# Altium PCB Dashcam_V2.0B.PcbDoc (part 3 of 8) (continued)
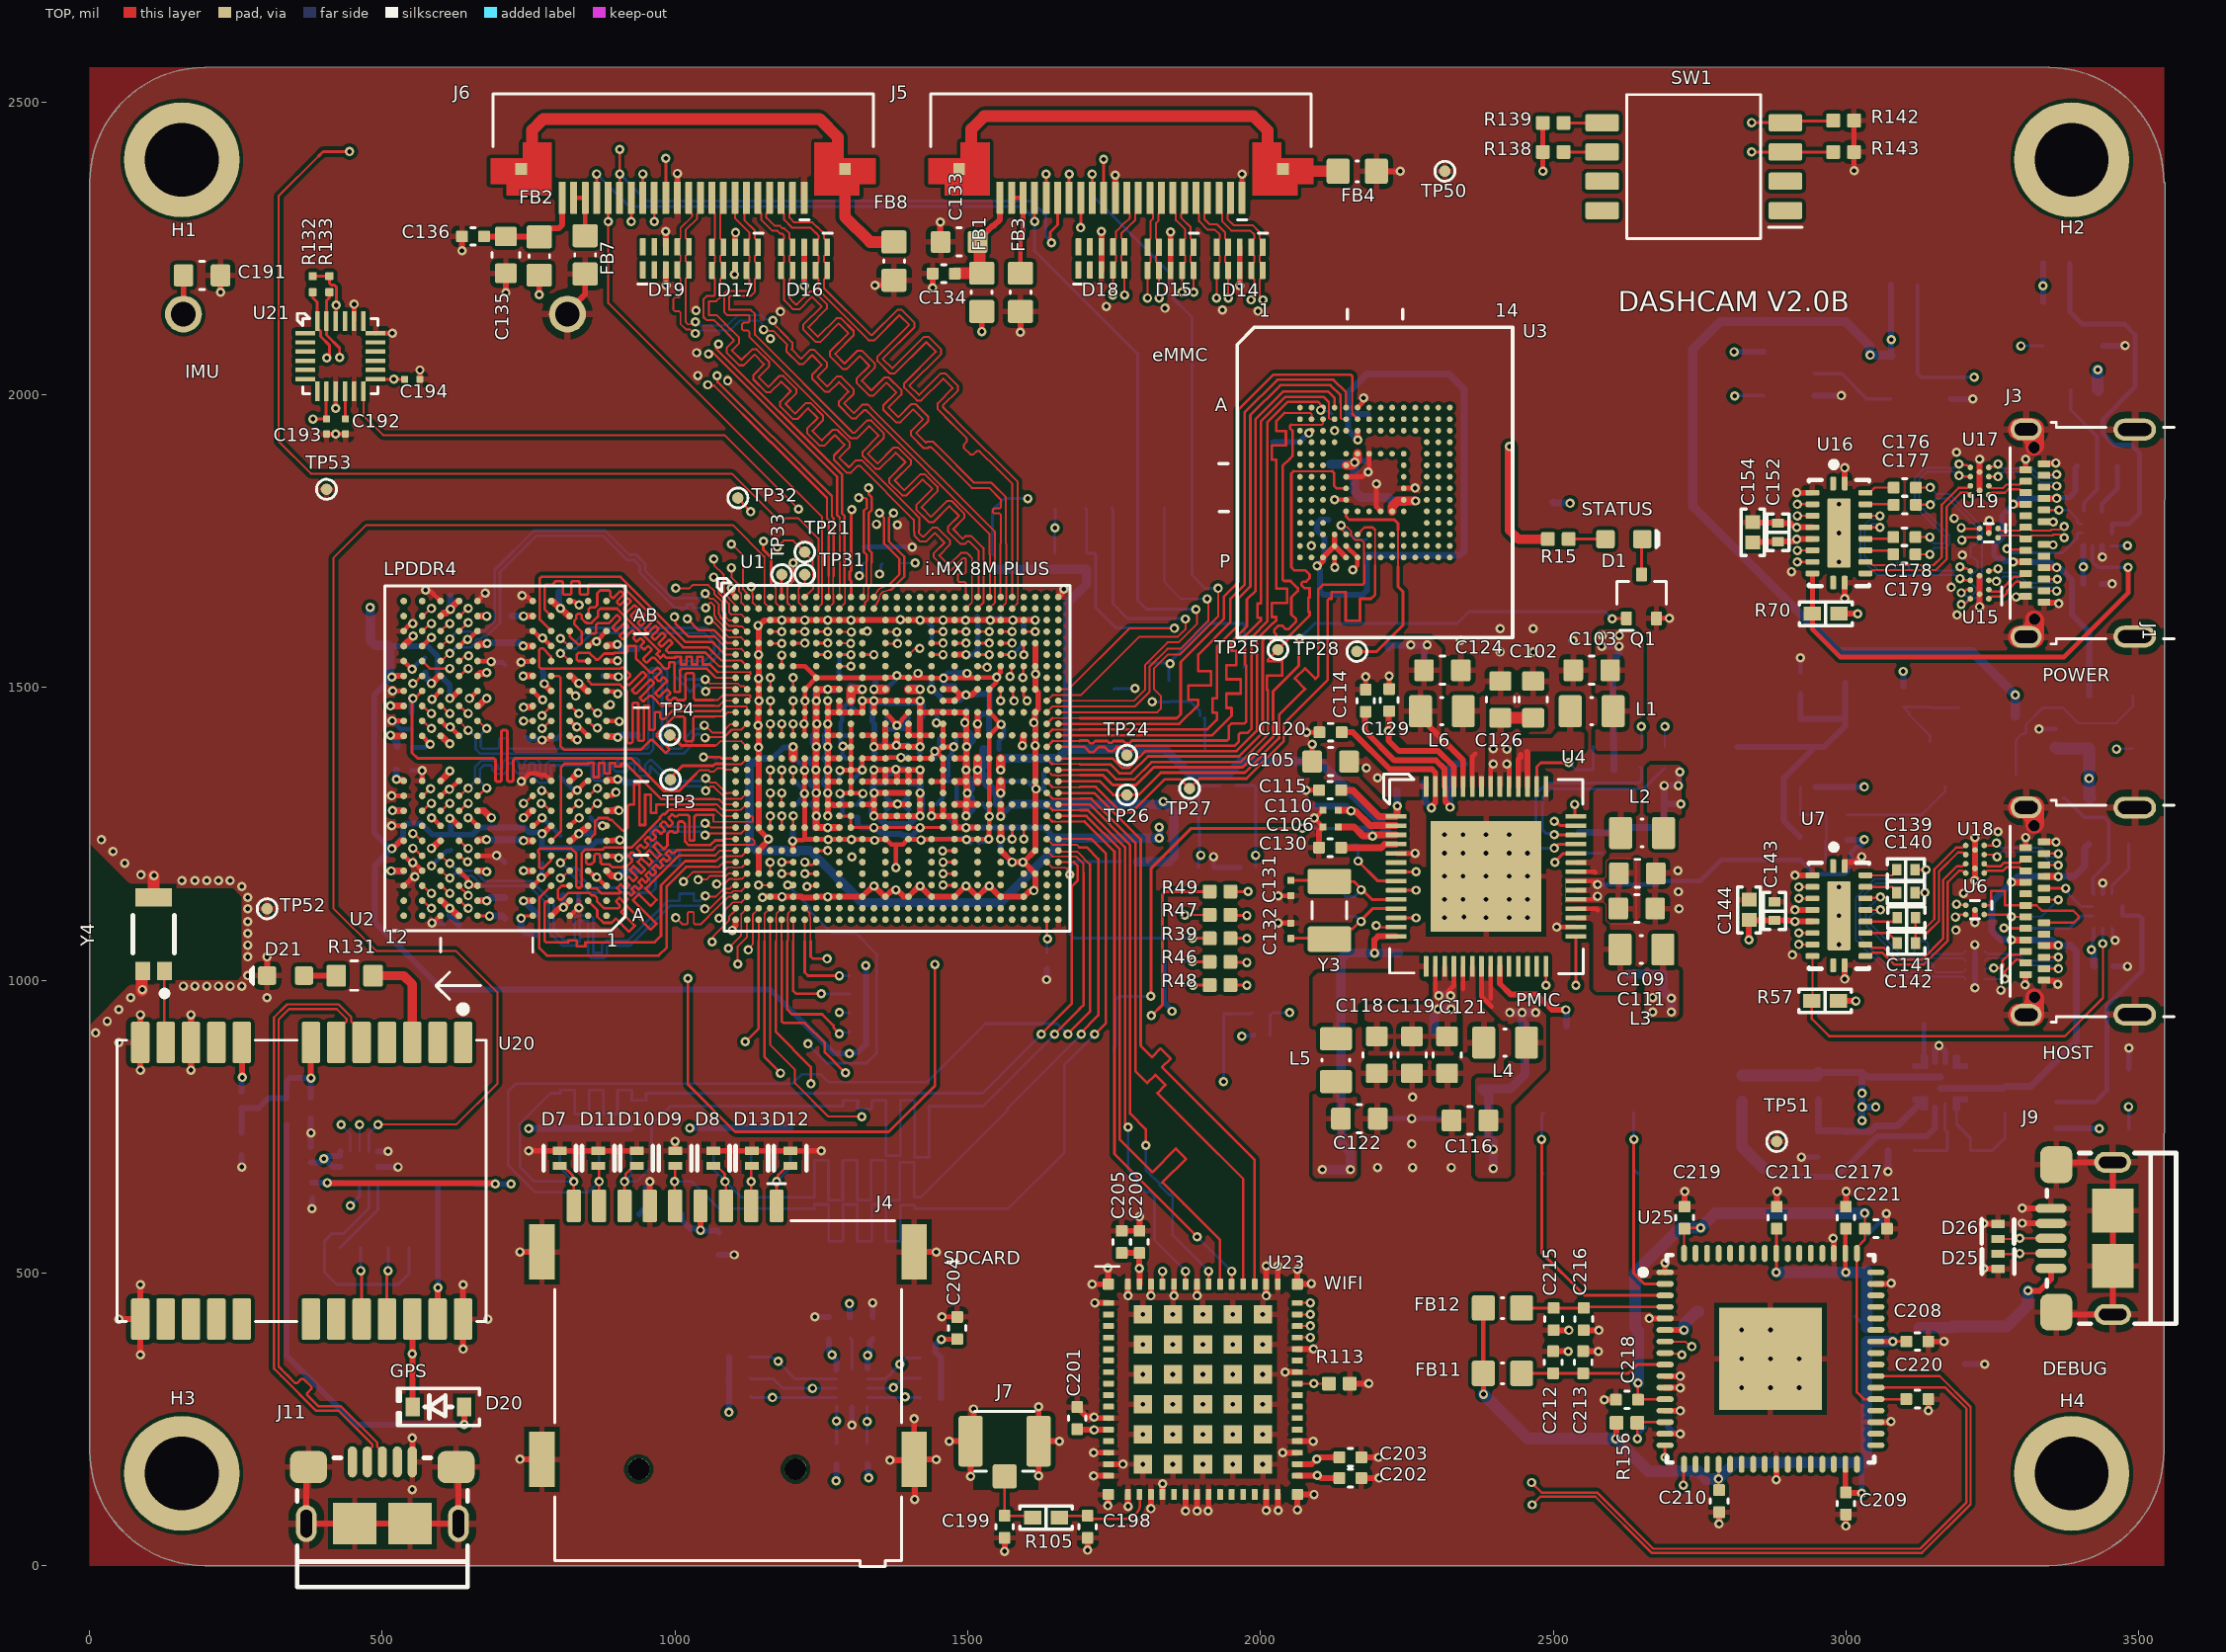
[diagram p0: TOP view]
## Nets (pads, with @x,y where several pads share a name; then routed paths per layer and width w, separated by ;. In a path a pad name is that pad's centre, name@x,y a point inside that pad or via, vN(x,y) a via of type N, cw(c..) or ccw(c..) an arc to the next point about the centre after c; other vN are vias at no path point) (continued)
CSI1_CK_N: D18.5 D18.6 J5.10 U1.E22 | length 1417.2
  TOP w3.4: v1(1767.83,2170.47) 1767.72,2170.59 D18.5@1767.72,2213.29 1767.72,2223.13 1762.48,2228.37 1762.48,2237.58 1767.72,2242.82 D18.6@1767.72,2252.66 1767.72,2262.5 1762.48,2267.74 1762.48,2275.36 1771.83,2284.7 1772.48,2284.7 1786.1,2298.33 1786.1,2309.72 1791.34,2314.96 J5.10@1791.34,2336.61
  TOP w4.72: U1.E22@1516.84,1575.79 v2(1536.53,1575.79)
  L3_IN1 w3: v2(1536.53,1575.79) 1550.73,1589.99 1550.73,1622.92 1542.1,1631.55 1542.1,1792.1 1542.55,1792.55 1623.24,1873.24 1625.73,1873.24 1663.77,1835.21 1672.96,1835.21 1695.73,1857.97 1695.73,1867.17 1633.91,1928.99 1650.17,1945.25 1716.01,1879.41 1725.21,1879.41 1747.98,1902.17 1747.98,1911.37 1682.13,1977.21 1698.4,1993.48 1748.74,1943.13 1757.94,1943.13 1780.7,1965.9 1780.7,1975.09 1754.14,2001.65 1754.14,2004.14 1757.5,2007.5 1763.42,2013.42 1763.42,2018.62 1763.42,2027.97 1755.16,2036.23 1728.09,2036.23 1728.09,2059.23 1755.16,2059.23 1763.42,2067.49 1763.42,2161.63 1763.42,2162.55 1767.83,2166.96 v1(1767.83,2170.47)
CSI1_CK_P: D18.4 D18.7 J5.11 U1.D22 | length 1414.7
  TOP w3.4: v1(1747.91,2170.47) 1748.03,2170.59 D18.4@1748.03,2213.29 1748.03,2223.13 1753.27,2228.37 1753.27,2237.58 1748.03,2242.82 D18.7@1748.03,2252.66 1748.03,2262.5 1753.27,2267.74 1753.27,2279.17 1768.01,2293.92 1768.66,2293.92 1776.89,2302.15 1776.89,2309.72 1771.65,2314.96 J5.11@1771.65,2336.61
  TOP w4.72: U1.D22@1516.84,1595.47 v2(1536.53,1595.47)
  L3_IN1 w3: v2(1536.53,1595.47) 1525.74,1606.26 1525.74,1626.29 1531,1631.55 1531,1762 1531,1763.5 1526.4,1768.1 1520.21,1768.1 1515.61,1772.7 1515.61,1786.5 1520.21,1791.1 1526.4,1791.1 1531,1795.7 1531,1796.7 1534.61,1800.31 1534.7,1800.4 1534.9,1800.6 1618.65,1884.34 1630.33,1884.34 1668.37,1846.31 1684.63,1862.57 1622.81,1924.39 1622.81,1933.59 1645.57,1956.35 1654.77,1956.35 1720.61,1890.51 1736.88,1906.77 1671.03,1972.62 1671.03,1981.81 1693.8,2004.58 1702.99,2004.58 1753.34,1954.23 1769.6,1970.5 1743.04,1997.06 1743.04,2008.74 1749.65,2015.35 1752.32,2018.02 1752.32,2018.62 1752.32,2023.37 1750.57,2025.13 1723.5,2025.13 1716.99,2031.63 1716.99,2063.83 1723.5,2070.33 1750.57,2070.33 1752.32,2072.09 1752.32,2161.63 1752.32,2162.55 1747.91,2166.96 v1(1747.91,2170.47)
CSI1_D0_N: D14.1 D14.10 J5.2 U1.E18 | length 1419.1
  TOP w3.4: J5.2@1948.82,2336.61 1948.82,2314.96 1943.58,2309.72 1943.58,2300.25 1953.99,2289.84 1986.32,2289.84 1998.7,2277.46 1998.7,2267.05 2003.94,2261.81 2003.94,2242.13 1998.7,2236.89 1998.7,2227.68 2003.94,2222.44 D14.10@2003.94,2212.6 2003.94,2202.76 1998.7,2197.52 1998.7,2165.35 2001.93,2162.12 v1(2004.05,2162.12)
  TOP w4.72: U1.E18@1438.1,1575.79 v2(1457.79,1575.79)
  L3_IN1 w3: v2(1457.79,1575.79) 1454.28,1575.79 1449.98,1580.08 1440.7,1580.08 1435.4,1585.38 1426.69,1594.09 1426.69,1605.77 1430.91,1609.98 1430.91,1625.44 1423.9,1632.45 1423.9,1914.6 1771.4,2262.1 1971.6,2262.1 1986.85,2246.85 1999.64,2234.05 1999.64,2170.05 2004.05,2165.64 v1(2004.05,2162.12)
CSI1_D0_P: D14.2 D14.9 J5.3 U1.D18 | length 1417.2
  TOP w3.4: J5.3@1929.13,2336.61 1929.13,2314.96 1934.37,2309.72 1934.37,2296.44 1950.18,2280.63 1982.5,2280.63 1989.49,2273.64 1989.49,2267.05 1984.25,2261.81 D14.2@1984.25,2251.97 1984.25,2242.13 1989.49,2236.89 1989.49,2227.68 1984.25,2222.44 D14.9@1984.25,2212.6 1984.25,2202.76 1989.49,2197.52 1989.49,2165.35 1986.26,2162.12 v1(1984.13,2162.12)
  TOP w4.72: U1.D18@1438.1,1595.47 v2(1457.79,1595.47)
  L3_IN1 w3: v2(1457.79,1595.47) 1454.28,1595.47 1449.98,1591.18 1445.3,1591.18 1437.79,1598.68 1437.79,1601.17 1442.01,1605.39 1442.01,1608 1442.01,1609.5 1437.91,1609.5 1437.91,1632.5 1462.46,1632.5 1462.46,1655.5 1435,1655.5 1435,1660 1435,1910 1776,2251 1967,2251 1979,2239 1988.54,2229.46 1988.54,2170.05 1984.13,2165.64 v1(1984.13,2162.12)
CSI1_D1_N: D14.4 D14.7 J5.4 U1.E20 | length 1417.2
  TOP w3.4: J5.4@1909.45,2336.61 1909.45,2314.96 1904.21,2309.72 1904.21,2300.25 1913.47,2290.99 1926.11,2290.99 1939.65,2277.46 1939.65,2267.05 1944.88,2261.81 1944.88,2242.13 1939.65,2236.89 1939.65,2227.68 1944.88,2222.44 D14.7@1944.88,2212.6 1944.88,2165.47 v1(1945,2165.35)
  TOP w4.72: U1.E20@1477.47,1575.79 v2(1497.16,1575.79)
  L3_IN1 w3: v2(1497.16,1575.79) 1493.65,1575.79 1489.35,1580.08 1479.51,1580.08 1471.25,1588.34 1471.25,1642 1471.25,1653.93 1479.51,1662.19 1506.14,1662.19 1506.14,1685.19 1453.43,1685.19 1446.92,1691.69 1446.92,1723.89 1453.43,1730.39 1506.14,1730.39 1506.14,1753.39 1479.51,1753.39 1471.25,1761.65 1471.25,1771 1471.25,1850.95 1477.76,1857.45 1565.65,1945.35 1569.01,1948.71 1569.01,1951.19 1568.54,1951.66 1568.54,1960.86 1591.31,1983.62 1600.5,1983.62 1600.97,1983.15 1603.46,1983.15 1668.65,2048.35 1711.9,2091.6 1711.9,2168 1774.9,2231 1912.7,2231 1934.09,2209.61 1940.59,2203.11 1940.59,2173.28 1945,2168.87 v1(1945,2165.35)
CSI1_D1_P: D14.5 D14.6 J5.5 U1.D20 | length 1415.2
  TOP w3.4: J5.5@1889.76,2336.61 1889.76,2314.96 1895,2309.72 1895,2296.44 1909.65,2281.78 1922.29,2281.78 1930.43,2273.64 1930.43,2267.05 1925.2,2261.81 D14.5@1925.2,2251.97 1925.2,2242.13 1930.43,2236.89 1930.43,2227.68 1925.2,2222.44 D14.6@1925.2,2212.6 1925.2,2165.47 v1(1925.08,2165.35)
  TOP w4.72: U1.D20@1477.47,1595.47 v2(1497.16,1595.47)
  L3_IN1 w3: v2(1497.16,1595.47) 1493.65,1595.47 1489.35,1591.18 1484.11,1591.18 1482.35,1592.94 1482.35,1642 1482.35,1649.33 1484.11,1651.09 1510.73,1651.09 1517.24,1657.59 1517.24,1689.79 1510.73,1696.29 1458.02,1696.29 1458.02,1719.29 1510.73,1719.29 1517.24,1725.79 1517.24,1757.99 1510.73,1764.49 1484.11,1764.49 1482.35,1766.25 1482.35,1771 1482.35,1846.35 1573.5,1937.5 1580.11,1944.11 1580.11,1955.79 1579.64,1956.26 1595.91,1972.52 1596.37,1972.05 1608.05,1972.05 1676.5,2040.5 1723,2087 1723,2163.4 1779.5,2219.9 1908.1,2219.9 1909.5,2218.5 1910.56,2217.44 1913.05,2217.44 1914,2218.39 1915.41,2218.39 1921.07,2212.73 1921.07,2211.32 1902.11,2192.36 1902.11,2190.95 1907.77,2185.29 1909.18,2185.29 1924.7,2200.81 1927.19,2200.81 1927.44,2200.56 1928.5,2199.5 1929.49,2198.51 1929.49,2173.28 1925.08,2168.87 v1(1925.08,2165.35)
CSI1_D2_N: D15.1 D15.10 J5.6 U1.E24 | length 1417.2
  TOP w3.4: J5.6@1870.08,2336.61 1870.08,2314.96 1864.84,2309.72 1864.84,2302.15 1880.59,2286.4 1880.59,2267.05 1885.83,2261.81 D15.1@1885.83,2251.97 1885.83,2242.13 1880.59,2236.89 1880.59,2227.68 1885.83,2222.44 D15.10@1885.83,2212.6 1885.83,2175.31 v1(1885.94,2175.2)
  TOP w4.72: U1.E24@1556.21,1575.79 v2@1575.82,1575.81
  L3_IN1 w3: v2(1575.85,1575.84) 1556.73,1594.96 1556.73,1634.43 1624.69,1702.39 1649.65,1727.34 1661.33,1727.34 1684.61,1704.06 1700.87,1720.33 1662.17,1759.03 1662.17,1768.23 1684.93,1790.99 1694.13,1790.99 1739.91,1745.21 1756.17,1761.48 1702.89,1814.76 1702.89,1823.96 1725.65,1846.72 1734.85,1846.72 1788.13,1793.44 1804.4,1809.7 1774.04,1840.06 1774.04,1851.74 1780.65,1858.35 1789,1866.7 1789,2012 1783.38,2017.62 1783.38,2184.07 1812.4,2213.1 1868.86,2213.1 1881.53,2200.43 1881.53,2183.12 1885.94,2178.71 v1(1885.94,2175.2)
CSI1_D2_P: D15.2 D15.9 J5.7 U1.D24 | length 1415.2
  TOP w3.4: J5.7@1850.39,2336.61 1850.39,2314.96 1855.63,2309.72 1855.63,2298.33 1871.38,2282.58 1871.38,2267.05 1866.14,2261.81 D15.2@1866.14,2251.97 1866.14,2242.13 1871.38,2236.89 1871.38,2227.68 1866.14,2222.44 D15.9@1866.14,2212.6 1866.14,2175.31 v1(1866.02,2175.2)
  TOP w4.72: U1.D24@1556.21,1595.47 v2(1575.9,1595.47)
  L3_IN1 w3: v2(1575.9,1595.47) 1574.94,1595.47 1567.83,1602.58 1567.83,1606.52 1564.36,1609.98 1564.36,1626.36 1580.5,1642.5 1581.56,1643.56 1580.2,1644.92 1596.47,1661.18 1616.11,1641.54 1632.37,1657.8 1614.09,1676.09 1616.1,1678.1 1632.54,1694.54 1654.24,1716.24 1656.73,1716.24 1680.01,1692.96 1689.21,1692.96 1711.97,1715.73 1711.97,1724.92 1673.27,1763.63 1689.53,1779.89 1735.31,1734.11 1744.51,1734.11 1767.27,1756.88 1767.27,1766.07 1713.99,1819.36 1730.25,1835.62 1783.54,1782.34 1792.73,1782.34 1815.5,1805.1 1815.5,1814.3 1785.14,1844.65 1785.14,1847.14 1788.5,1850.5 1800.1,1862.1 1800.1,2016.6 1794.48,2022.22 1794.48,2179.48 1817,2202 1864.27,2202 1870.43,2195.83 1870.43,2183.12 1866.02,2178.71 v1(1866.02,2175.2)
CSI1_D3_N: D15.4 D15.7 J5.8 U1.E26 | length 1417.2
  TOP w3.4: v1(1826.89,2165.35) 1826.77,2165.47 D15.7@1826.77,2212.6 1826.77,2222.44 1821.54,2227.68 1821.54,2236.89 1826.77,2242.13 1826.77,2261.81 1821.54,2267.05 1821.54,2293.11 1825.47,2297.05 1825.47,2309.72 1830.71,2314.96 J5.8@1830.71,2336.61
  TOP w4.72: v2(1595.64,1556.05) U1.E26@1595.58,1575.79
  L3_IN1 w3: v2(1595.64,1556.05) 1635.68,1556.98 1869.73,1791.03 1890.35,1811.65 1890.35,1885.83 1882.09,1894.09 1880.21,1894.09 1880.21,1917.09 1983.85,1917.09 1990.35,1923.59 1990.35,1955.79 1983.85,1962.29 1873.97,1962.29 1873.97,1985.29 1983.85,1985.29 1990.35,1991.79 1990.35,2023.99 1983.85,2030.49 1892.11,2030.49 1890.35,2032.25 1890.35,2037 1890.35,2048.35 1883.85,2054.85 1822.48,2116.22 1822.48,2157.43 1826.89,2161.84 v1(1826.89,2165.35)
CSI1_D3_P: D15.5 D15.6 J5.9 U1.D26 | length 1414.9
  TOP w3.4: v1(1806.97,2165.35) 1807.09,2165.47 D15.6@1807.09,2212.6 1807.09,2222.44 1812.32,2227.68 1812.32,2236.89 1807.09,2242.13 D15.5@1807.09,2251.97 1807.09,2261.81 1812.32,2267.05 1812.32,2296.93 1816.26,2300.87 1816.26,2309.72 1811.02,2314.96 J5.9@1811.02,2336.61
  TOP w4.72: U1.D26@1595.58,1595.47 v2(1615.27,1595.47)
  L3_IN1 w3: v2(1615.27,1595.47) 1615.27,1577.51 1617.03,1575.76 1618,1575.76 1627.5,1575.76 1627.5,1590.04 1650.5,1590.04 1650.5,1604.7 1673.5,1604.7 1673.5,1610.5 1675,1612 1861.37,1798.37 1879.25,1816.25 1879.25,1881.23 1877.49,1882.99 1875.61,1882.99 1869.11,1889.49 1869.11,1921.69 1875.61,1928.19 1979.25,1928.19 1979.25,1951.19 1869.37,1951.19 1862.87,1957.69 1862.87,1989.89 1869.37,1996.39 1979.25,1996.39 1979.25,2019.39 1887.51,2019.39 1879.25,2027.65 1879.25,2037 1879.25,2043.75 1811.38,2111.62 1811.38,2157.43 1806.97,2161.84 v1(1806.97,2165.35)
CSI2_CK_N: D19.5 D19.6 J6.10 U1.B23 | length 1195
  TOP w3: v1(1034.62,2124.71) 1031.11,2124.71 1026.69,2120.28 1022.13,2120.28 1018.08,2124.33 1018.08,2198.27 1019.84,2200.03 1020.2,2200.03 1023.62,2203.45 D19.5@1023.62,2213.29 1023.62,2223.13 1020.2,2226.56 1019.84,2226.56 1018.08,2228.31 1018.08,2237.64 1019.84,2239.4 1020.2,2239.4 1023.62,2242.82 D19.6@1023.62,2252.66 1023.62,2262.5 1020.2,2265.93 1019.84,2265.93 1018.08,2267.68 1018.08,2281.31 1037.76,2300.99 1037.76,2309.42 1043.31,2314.96 J6.10@1043.31,2336.61 ; 1546.51,1645.13 1546.51,1766.15
  TOP w3.35: v1(1167,2127) 1167,2123.58 1170.68,2119.9 1170.68,2118.97 1172.91,2116.74 1186.06,2103.59 1200.17,2089.48 1200.17,2079.3 1198.95,2078.08 1215.46,2061.57 1230.51,2076.63 1237.92,2076.63 1259.67,2054.88 1259.67,2047.47 1243.14,2030.93 1259.65,2014.42 1276.18,2030.96 1283.59,2030.96 1305.34,2009.21 1305.34,2001.8 1288.81,1985.26 1305.31,1968.75 1319.52,1982.95 1329.7,1982.95 1332.32,1980.33 1335.36,1977.3 1546.51,1766.15 ; U1.B23@1536.21,1634.84 1546.51,1645.13
  L3_IN1 w2.05: v1(1034.62,2124.71) 1034.62,2122.03 v1@1038.39,2118.27
  BOTTOM w3.35: v1(1034.62,2124.71) 1036.86,2124.71 1043.18,2118.39 1089.74,2118.39 1107.29,2135.95 1147.26,2135.95 1153.99,2129.22 1164.78,2129.22 v1(1167,2127)
CSI2_CK_P: D19.4 D19.7 J6.11 U1.A23 | length 1193.1
  TOP w3: J6.11@1023.62,2336.61 1023.62,2314.96 1029.16,2309.42 1029.16,2304.56 1009.48,2284.87 1009.48,2267.68 1007.72,2265.93 1007.36,2265.93 1003.94,2262.5 D19.7@1003.94,2252.66 1003.94,2242.82 1007.36,2239.4 1007.72,2239.4 1009.48,2237.64 1009.48,2228.31 1007.72,2226.56 1007.36,2226.56 1003.94,2223.13 D19.4@1003.94,2213.29 1003.94,2203.45 1007.36,2200.03 1007.72,2200.03 1009.48,2198.27 1009.48,2175 1009.48,2168.1 1007.18,2165.8 999.37,2165.8 997.07,2163.5 997.07,2145.1 999.37,2142.8 1007.18,2142.8 1009.48,2140.5 1009.48,2139 1009.48,2120.77 1018.57,2111.68 1025.72,2111.68 1032.62,2104.78 v1(1034.62,2104.78)
  TOP w3.35: v1(1151.45,2111.45) 1153.87,2109.03 1167.97,2109.03 1179.74,2097.26 1191.22,2085.78 1191.22,2083.01 1190,2081.79 1190,2074.37 1211.75,2052.62 1219.16,2052.62 1234.22,2067.68 1250.73,2051.17 1234.19,2034.64 1234.19,2027.22 1255.94,2005.47 1263.35,2005.47 1279.89,2022.01 1296.4,2005.5 1279.86,1988.97 1279.86,1981.56 1301.61,1959.81 1309.02,1959.81 1323.22,1974.01 1325.99,1974.01 1329.03,1970.97 1537.09,1762.91 1537.09,1728.12 1538.08,1727.13 1538.08,1660.52 1538.07,1656.07 U1.A23@1536.53,1654.53
  L3_IN1 w2.05: v1(1034.62,2104.78) 1034.62,2107.46 v1@1038.39,2111.22
  BOTTOM w3.35: v1(1034.62,2104.78) 1038.04,2104.78 1042.7,2109.44 1093.44,2109.44 1111,2127 1143.56,2127 1149.16,2121.4 1149.16,2113.74 v1(1151.45,2111.45)
CSI2_D0_N: D16.1 D16.10 J6.2 U1.B25 | length 1292.2
  TOP w3: 1584.97,1643.91 1584.97,1649.87 1585.61,1650.51 1585.61,1710.4 1584.97,1711.04
  TOP w3.35: J6.2@1200.79,2336.61 1200.79,2314.96 1195.42,2309.59 1195.42,2302.6 1203.69,2294.33 1234.96,2294.33 1241.6,2287.7 1243.43,2285.86 1244.07,2285.86 1254.47,2275.46 1254.47,2267.02 1256.43,2265.06 1256.59,2265.06 1259.84,2261.81 1259.84,2242.13 1256.59,2238.88 1256.43,2238.88 1254.47,2236.92 1254.47,2227.65 1256.43,2225.69 1256.59,2225.69 1259.84,2222.44 D16.10@1259.84,2212.6 1259.84,2202.76 1256.59,2199.51 1256.43,2199.51 1254.47,2197.55 1254.47,2182.18 1331.33,2105.33 1334.36,2102.29 1337.13,2102.29 1379.77,2144.93 1387.18,2144.93 1408.93,2123.18 1408.93,2115.77 1354.69,2061.52 1371.2,2045.02 1425.44,2099.26 1432.85,2099.26 1454.6,2077.51 1454.6,2070.1 1400.36,2015.86 1416.87,1999.35 1454.32,2036.8 1461.73,2036.8 1483.48,2015.05 1483.48,2007.64 1457.63,1981.79 1457.63,1979.02 1478.28,1958.37 1481.32,1955.33 1584.97,1851.69 1584.97,1711.04 ; U1.B25@1575.9,1634.84 1584.97,1643.91
CSI2_D0_P: D16.2 D16.9 J6.3 U1.A25 | length 1290.2
  TOP w3.35: J6.3@1181.1,2336.61 1181.1,2314.96 1186.47,2309.59 1186.47,2298.9 1199.99,2285.38 1231.26,2285.38 1235.27,2281.37 1239.72,2276.91 1240.36,2276.91 1245.53,2271.75 1245.53,2267.02 1243.57,2265.06 1243.41,2265.06 1240.16,2261.81 D16.2@1240.16,2251.97 1240.16,2242.13 1243.41,2238.88 1243.57,2238.88 1245.53,2236.92 1245.53,2227.65 1243.57,2225.69 1243.41,2225.69 1240.16,2222.44 D16.9@1240.16,2212.6 1240.16,2202.76 1243.41,2199.51 1243.57,2199.51 1245.53,2197.55 1245.53,2178.47 1325,2099 1328.04,2095.96 1330.66,2093.34 1340.84,2093.34 1383.48,2135.98 1399.99,2119.47 1345.74,2065.23 1345.74,2057.82 1367.49,2036.07 1374.9,2036.07 1429.15,2090.31 1445.65,2073.8 1391.41,2019.56 1391.41,2012.15 1413.16,1990.4 1420.57,1990.4 1458.03,2027.85 1474.53,2011.34 1448.69,1985.5 1448.69,1975.31 1471.96,1952.04 1474.99,1949.01 1481,1943 1498.69,1925.31 1498.69,1920.36 1493.03,1914.69 1493.03,1909.74 1504.58,1898.18 1509.54,1898.18 1515.2,1903.85 1520.15,1903.85 1551,1873 1576.02,1847.98 1576.02,1711.04 1575.58,1710.6 U1.A25@1575.58,1654.53
CSI2_D1_N: D16.4 D16.7 J6.4 U1.B24 | length 1290.2
  TOP w3: 1565.28,1644.23 1565.28,1649.87 1565.92,1650.51 1565.92,1745.08 1565.28,1745.72
  TOP w3.35: J6.4@1161.42,2336.61 1161.42,2314.96 1156.05,2309.59 1156.05,2302.6 1169.7,2288.95 1178.71,2288.95 1183.48,2284.17 1186.71,2284.17 1195.42,2275.46 1195.42,2267.02 1197.38,2265.06 1197.54,2265.06 1200.79,2261.81 D16.4@1200.79,2251.97 1200.79,2242.13 1197.54,2238.88 1197.38,2238.88 1195.42,2236.92 1195.42,2227.65 1197.38,2225.69 1197.54,2225.69 1200.79,2222.44 D16.7@1200.79,2212.6 1200.79,2202.76 1197.54,2199.51 1197.38,2199.51 1195.42,2197.55 1195.42,2165.23 1202.83,2157.83 1205.86,2154.79 1208.63,2154.79 1230.22,2176.37 1237.63,2176.37 1259.38,2154.62 1259.38,2147.21 1227.64,2115.47 1244.15,2098.96 1275.89,2130.7 1283.3,2130.7 1305.05,2108.95 1305.05,2101.54 1273.31,2069.8 1289.81,2053.29 1311.85,2075.33 1319.26,2075.33 1341.01,2053.58 1341.01,2046.17 1318.98,2024.13 1335.48,2007.62 1357.52,2029.66 1364.93,2029.66 1386.68,2007.91 1386.68,2000.5 1364.64,1978.46 1381.15,1961.96 1403.31,1984.12 1410.72,1984.12 1432.47,1962.37 1432.47,1954.95 1411.96,1934.44 1428.47,1917.93 1430.5,1919.97 1440.69,1919.97 1445.97,1914.68 1449.01,1911.64 1510.71,1849.95 1540.23,1849.95 1565.28,1824.9 1565.28,1745.72 ; U1.B24@1555.9,1634.84 1565.28,1644.23
CSI2_D1_P: D16.5 D16.6 J6.5 U1.A24 | length 1288.3
  TOP w3.35: J6.5@1141.73,2336.61 1141.73,2314.96 1147.1,2309.59 1147.1,2298.9 1166,2280 1175,2280 1179.78,2275.22 1183,2275.22 1186.47,2271.75 1186.47,2267.02 1184.51,2265.06 1184.35,2265.06 1181.1,2261.81 D16.5@1181.1,2251.97 1181.1,2242.13 1184.35,2238.88 1184.51,2238.88 1186.47,2236.92 1186.47,2227.65 1184.51,2225.69 1184.35,2225.69 1181.1,2222.44 D16.6@1181.1,2212.6 1181.1,2202.76 1184.35,2199.51 1184.51,2199.51 1186.47,2197.55 1186.47,2161.53 1196.5,2151.5 1199.54,2148.46 1202.16,2145.84 1212.34,2145.84 1233.92,2167.43 1250.43,2150.92 1218.69,2119.18 1218.69,2111.77 1240.44,2090.02 1247.85,2090.02 1279.59,2121.76 1296.1,2105.25 1264.36,2073.51 1264.36,2066.1 1286.11,2044.35 1293.52,2044.35 1315.55,2066.38 1332.06,2049.87 1310.03,2027.84 1310.03,2020.43 1331.78,1998.68 1339.19,1998.68 1361.22,2020.71 1377.73,2004.2 1355.7,1982.17 1355.7,1974.76 1377.45,1953.01 1384.86,1953.01 1407.02,1975.17 1423.53,1958.66 1403.01,1938.14 1403.01,1930.73 1424.76,1908.98 1432.17,1908.98 1434.21,1911.02 1436.98,1911.02 1439.65,1908.35 1442.68,1905.32 1507,1841 1536.53,1841 1556.34,1821.19 1556.34,1817.74 1556.34,1807.72 1554.37,1805.76 1544.9,1805.76 1543.23,1804.09 1543.23,1799.08 1544.9,1797.41 1554.37,1797.41 1556.34,1795.45 1556.34,1777 1556.34,1745.72 1555.9,1745.28 U1.A24@1555.9,1654.53
CSI2_D2_N: D17.1 D17.10 J6.6 U1.B22 | length 1290.2
  TOP w3: 1527,1645 1527,1650.33 1526.82,1650.51 1526.82,1658.55 1527,1658.73 1527,1737.65
  TOP w3.35: J6.6@1122.05,2336.61 1118.33,2332.89 1118.33,2298.33 1136.36,2280.29 1136.36,2267.02 1138.32,2265.06 1138.48,2265.06 1141.73,2261.81 D17.1@1141.73,2251.97 1141.73,2242.13 1138.48,2238.88 1138.32,2238.88 1136.36,2236.92 1136.36,2227.65 1138.32,2225.69 1138.48,2225.69 1141.73,2222.44 1141.73,2202.76 1138.48,2199.51 1138.32,2199.51 1136.36,2197.55 1136.36,2192 1136.36,2175.75 1129.16,2168.55 1092.65,2168.55 1092.65,2145.2 1129.16,2145.2 1136.36,2138 1136.36,2130 1136.36,2102.29 1300.85,1937.8 1303.89,1934.76 1306.66,1934.76 1327.76,1955.86 1335.17,1955.86 1356.92,1934.11 1356.92,1926.7 1329.44,1899.22 1345.95,1882.71 1373.43,1910.19 1380.84,1910.19 1402.59,1888.44 1402.59,1881.03 1375.11,1853.55 1391.62,1837.04 1419.1,1864.52 1426.51,1864.52 1448.26,1842.77 1448.26,1835.36 1420.78,1807.88 1437.29,1791.37 1464.76,1818.85 1472.18,1818.85 1493.93,1797.1 1493.93,1789.69 1474.87,1770.63 1491.38,1754.12 1495.86,1758.61 1506.05,1758.61 1512.39,1752.26 1521.29,1743.36 1524.33,1740.33 1527,1737.65 ; U1.B22@1516.84,1634.84 1527,1645
CSI2_D2_P: D17.2 D17.9 J6.7 U1.A22 | length 1288.3
  TOP w3.35: J6.7@1102.36,2336.61 1102.36,2301.64 1127.42,2276.58 1127.42,2267.02 1125.46,2265.06 1125.3,2265.06 1122.05,2261.81 D17.2@1122.05,2251.97 1122.05,2242.13 1125.3,2238.88 1125.46,2238.88 1127.42,2236.92 1127.42,2227.65 1125.46,2225.69 1125.3,2225.69 1122.05,2222.44 1122.05,2202.76 1125.3,2199.51 1125.46,2199.51 1127.42,2197.55 1127.42,2192 1127.42,2179.45 1125.46,2177.49 1088.95,2177.49 1083.71,2172.25 1083.71,2141.5 1088.95,2136.25 1125.46,2136.25 1127.42,2134.29 1127.42,2130 1127.42,2128 1127.42,2125.61 1124.75,2122.94 1117,2122.94 1114.33,2120.27 1114.33,2112.26 1117,2109.59 1124.75,2109.59 1127.42,2106.92 1127.42,2105.25 1127.42,2098.58 1294.53,1931.47 1297.56,1928.44 1300.19,1925.81 1310.37,1925.81 1331.46,1946.91 1347.97,1930.4 1320.5,1902.93 1320.5,1895.52 1342.25,1873.77 1349.66,1873.77 1377.13,1901.24 1393.64,1884.73 1366.17,1857.26 1366.17,1849.85 1387.92,1828.1 1395.33,1828.1 1422.8,1855.57 1439.31,1839.06 1411.84,1811.59 1411.84,1804.18 1433.59,1782.43 1441,1782.43 1468.47,1809.9 1484.98,1793.39 1465.92,1774.34 1465.92,1766.93 1487.67,1745.18 1495.08,1745.18 1499.57,1749.66 1502.34,1749.66 1514.96,1737.04 1518,1734 1518.39,1733.61 1518.39,1660.52 1518.39,1656.07 U1.A22@1516.84,1654.53
CSI2_D3_N: D17.4 D17.7 J6.8 U1.B21 | length 1290.2
  TOP w3: 1507,1645 1507,1721.5
  TOP w3.35: 1416.36,1765.36 1416.36,1764.29 1419.39,1761.26 1422.43,1758.22 1425.2,1758.22 1440.16,1773.18 1447.57,1773.18 1469.32,1751.43 1469.32,1744.02 1451.12,1725.82 1467.63,1709.31 1488.23,1729.91 1498.59,1729.91 1501.75,1726.75 1507,1721.5 ; U1.B21@1496.84,1634.84 1507,1645
  TOP w3.4: J6.8@1082.68,2336.61 1082.68,2314.96 1077.33,2309.62 1077.33,2267.02 1079.33,2265.03 1079.46,2265.03 1082.68,2261.81 D17.4@1082.68,2251.97 1082.68,2242.13 1079.46,2238.9 1079.33,2238.9 1077.33,2236.91 1077.33,2227.65 1079.33,2225.66 1079.46,2225.66 1082.68,2222.44 D17.7@1082.68,2212.6 1082.68,2202.76 1079.46,2199.53 1079.33,2199.53 1077.33,2197.54 1077.33,2190 1077.33,2166.99 1070.07,2159.73 1057.59,2159.73 1057.59,2136.33 1070.67,2136.33 1086,2121 1094,2113 1097.07,2109.93 1108.92,2098.08 1108.92,2087.81 1096.98,2075.88 1113.53,2059.33 1131.86,2077.67 1139.32,2077.67 1161.14,2055.85 1161.14,2048.39 1142.8,2030.06 1159.35,2013.51 1177.68,2031.85 1185.14,2031.85 1206.96,2010.03 1206.96,2002.57 1188.62,1984.24 1205.17,1967.69 1223.51,1986.03 1230.96,1986.03 1252.78,1964.21 1252.78,1956.75 1234.44,1938.42 1250.99,1921.87 1269.33,1940.21 1276.78,1940.21 1298.6,1918.39 1298.6,1910.93 1280.26,1892.6 1296.81,1876.05 1308.74,1887.98 1319.02,1887.98 1410.66,1796.34 1411.89,1795.11 1416.36,1790.64 1417.16,1789.84 1417.16,1768.98 1416.36,1768.18 1416.36,1765.36
CSI2_D3_P: D17.5 D17.6 J6.9 U1.A21 | length 1288.3
  TOP w3.35: 1409,1759 1413.07,1754.93 1416.1,1751.9 1418.73,1749.27 1428.91,1749.27 1443.87,1764.23 1460.38,1747.73 1442.18,1729.53 1442.18,1722.12 1463.93,1700.37 1471.34,1700.37 1491.94,1720.97 1494.88,1720.97 1495.43,1720.43 1496.84,1719.01 1496.84,1713 1496.84,1696.98 1494.69,1694.83 1484.95,1694.83 1482.8,1692.68 1482.8,1682.63 1484.95,1680.48 1494.69,1680.48 1496.84,1678.33 1496.84,1673 U1.A21@1496.84,1654.53
  TOP w3.4: J6.9@1062.99,2336.61 1062.99,2314.96 1068.33,2309.62 1068.33,2267.02 1066.34,2265.03 1066.21,2265.03 1062.99,2261.81 D17.5@1062.99,2251.97 1062.99,2242.13 1066.21,2238.9 1066.34,2238.9 1068.33,2236.91 1068.33,2227.65 1066.34,2225.66 1066.21,2225.66 1062.99,2222.44 D17.6@1062.99,2212.6 1062.99,2202.76 1066.21,2199.53 1066.34,2199.53 1068.33,2197.54 1068.33,2190 1068.33,2170.72 1066.34,2168.73 1053.86,2168.73 1048.59,2163.46 1048.59,2132.6 1053.86,2127.33 1066.94,2127.33 1073.27,2121 1087.64,2106.64 1090.7,2103.57 1099.92,2094.36 1099.92,2091.54 1087.98,2079.61 1087.98,2072.15 1109.8,2050.33 1117.26,2050.33 1135.59,2068.67 1152.14,2052.12 1133.8,2033.79 1133.8,2026.33 1155.62,2004.51 1163.08,2004.51 1181.41,2022.85 1197.96,2006.3 1179.62,1987.96 1179.62,1980.51 1201.44,1958.69 1208.9,1958.69 1227.23,1977.03 1243.78,1960.48 1225.44,1942.14 1225.44,1934.69 1247.26,1912.87 1254.72,1912.87 1273.05,1931.21 1289.6,1914.66 1271.26,1896.32 1271.26,1888.87 1293.08,1867.05 1300.54,1867.05 1312.47,1878.98 1315.29,1878.98 1406.93,1787.34 1408.16,1786.11 1408.16,1782.44 1408.16,1766.16 1408.96,1765.36 1408.96,1759
CSI_nRST_R: J5.13 J6.13 U1.A8 | length 3152
  TOP w3.35: 390.75,2407.48 322.83,2339.57 322.83,1920.28 377.95,1865.16 1097.44,1865.16 1173.38,1789.21 1209.8,1789.21 1244.83,1754.19 1244.83,1660.29 1241.25,1656.71 U1.A8@1241.25,1654.53
  TOP w5: 390.75,2407.48 398.62,2415.35 v1(443.9,2415.35) ; J6.13@984.25,2336.61 v1(984.25,2404) ; v1(1732.08,2402.1) 1732.28,2401.89 J5.13@1732.28,2336.61
  L3_IN1 w5: v1(443.9,2415.35) 473.43,2444.88 943.37,2444.88 v1(984.25,2404)
  L4_IN2 w5: v1(984.25,2404) 1029.25,2449 1685.18,2449 v1(1732.08,2402.1)
CSI_PWDN_R: J5.18 J6.18 U1.B8 | length 1745.2
  TOP w3: 1251.23,1643.51 1251.23,1699.06
  TOP w3.35: v1@885.83,2295.28 885.83,2156.5 1251.23,1791.09 1251.23,1699.06 ; U1.B8@1241.9,1634.18 1251.23,1643.51
  TOP w5: v1(885.83,2296) J6.18@885.83,2336.61 ; J5.18@1633.86,2336.61 v1(1633.86,2377)
  L4_IN2 w5: v1(885.83,2296) 963.83,2218 1088,2218 1249,2379 1631.86,2379 v1(1633.86,2377)
DBG_UART_A53_RX: R148.1 U1.AF6 U24.3 | length 1559.2
  TOP w4.72: v2(1192.54,1162.4) U1.AF6@1201.88,1162.4
  L3_IN1 w5: v2(1226.82,891.49) 1226.8,863.6 1255,835.4 1255,804.31 1237.69,787 1150,787 1040,677 1040,621 1187,474 1294.88,474 1313.9,454.98 1313.9,451.1 1347,418 1347,330.15 v1(1373,304.15)
  BOTTOM w4.4: v2(1192.54,1162.4) 1231.55,1123.39 1231.55,1116.79 1268.34,1080 1309,1080 1344,1045 1344,875 1327.41,858.41 1259.9,858.41 v2(1226.82,891.49)
  BOTTOM w5: U24.3@1328.73,303.15 1372.15,303.15 1389,320 R148.1@1419.28,320
DBG_UART_A53_RX_3V3: R151.1 U24.8 U25.38 | length 2971.2
  TOP w4.02: v1(2463,142) 2480,125 2574.92,125 2670.92,29 3127,29 3206,108 3206,268.08 3169.94,304.14 U25.38@3051.3,304.14
  L3_IN1 w4.02: v1(1166.62,287.3) 1257.91,196 1383,196 1488,301 1813,301 1822,292 1822,176 1849.01,148.99 1849.01,87.99 1859.5,77.5 2478.14,77.5 2492,91.35 2492,113 v1(2463,142)
  BOTTOM w5: R151.1@1128.72,289 1130.42,287.3 v1(1166.62,287.3) ; v1@1166.62,287.4 U24.8@1275.59,287.4
DBG_UART_A53_TX: R149.1 U1.AH4 U24.2 | length 1425.4
  TOP w3: 1152.8,1066.52 1152.8,1113.31
  TOP w3.35: 1152.8,1113.31 U1.AH4@1162.51,1123.03
  TOP w4.4: 1152.8,1066.52 1152.8,868.7 v1(1180,841.5)
  L3_IN1 w5: v1(1180,841.5) 1180,871.93 1216.54,908.46 1245.54,908.46 1270,884 1270,794 1198,722 1120,722 1064,666 1064,632 1186,510 1312,510 1384,438 v1(1384,344)
  BOTTOM w5: U24.2@1328.73,318.9 1358.9,318.9 v1(1384,344) 1395,355 R149.1@1419.28,355
DBG_UART_A53_TX_3V3: R150.1 U24.7 U25.39 | length 2725.8
  TOP w4.02: v1(2464,104) 2477.98,117.98 2572.02,117.98 2668.02,21.98 3129.91,21.98 3213.02,105.09 3213.02,270.98 3160.17,323.83 U25.39@3051.3,323.83
  L3_IN1 w4.02: v1(1275.59,247) 1275.59,243.93 1300.52,219 1352,219 1492,359 1866,359 1876,349 1876,146 1890,132 2052,132 2080,104 v1(2464,104)
  BOTTOM w6: R150.1@1275.59,208.72 v1(1275.59,247) U24.7@1275.59,271.65
DBG_UART_M7_RX: R147.1 U1.AJ5 U24.4 | length 1315.4
  TOP w3.35: 1182.2,1066.52 U1.AJ5@1182.2,1103.35
  TOP w4.4: 1182.2,1066.52 1182.2,930.05 1185.13,927.12 1221.88,927.12 1256,893 1256,876.91 v1(1291,841.91)
  L3_IN1 w5: v1(1291,841.91) 1291,786 1195,690 1126,690 1102,666 1102,623.68 1152.98,572.7 1294.3,572.7 1418,449 1418,313.4 v1(1393,288.4)
  BOTTOM w5: U24.4@1328.73,287.4 1417.88,287.4 R147.1@1419.28,286
DBG_UART_M7_RX_3V3: R152.1 U24.9 U25.16 | length 1695.6
  TOP w5: v1(2691,185) U25.16@2691.06,205.72 U25.16@2691.06,205.72
  L4_IN2 w5: v1(1234.86,303.05) 1317.05,303.05 1334.65,320.65 1696.35,320.65 1768,249 2025,249 2044.9,229.1 2356.9,229.1 2401,185 v1(2691,185)
  BOTTOM w5: R152.1@1127.72,321 1129.82,318.9 1167.98,318.9 1183.73,303.15 U24.9@1275.59,303.15
DBG_UART_M7_TX: R146.1 U1.AH5 U24.5 | length 1274.1
  TOP w3: 1171.86,1066.52 1173,1067.66 1173,1098.82 1172.49,1099.33 1172.49,1107.37 1173,1107.88 1173,1113.83
  TOP w3.35: 1173,1113.83 U1.AH5@1182.2,1123.03
  TOP w4.4: 1171.86,1066.52 1171.86,912.14 1232,852 v1(1232,823.09)
  L3_IN1 w5: v1(1232,823.09) 1230.09,825 1160,825 1015.75,680.75 1015.75,503.25 1064,455 1133,455 1328,260 v1(1328,246)
  BOTTOM w5: R146.1@1328,208.72 v1(1328,246) 1328,270.92 U24.5@1328.73,271.65
DBG_UART_M7_TX_3V3: R153.1 U24.10 U25.17 | length 1886.4
  TOP w5: v1(2722.18,137.69) 2722.86,138.37 2722.86,172.55 U25.17@2723.54,173.23
  L4_IN2 w5: v1(1176,349) 1204,377 1408,377 1435,350 1725,350 1774,301 2010,301 2048,263 2381,263 2405,239 2672,239 2722.18,188.82 v1(2722.18,137.69)
  BOTTOM w5: R153.1@1127.72,356 1166.03,356 1173.03,349 v1(1176,349) 1176,348.61 1205.71,318.9 ; 1205.71,318.9 U24.10@1275.59,318.9
DBG_USB_D_N: D25.2 J9.2 U25.7 | length 921.5
  TOP w3.4: U25.7@2691.06,382.88 2725.88,382.88 v1@2734.59,374.16
  TOP w4.02: D25.2@3259.84,532.48 3296.02,532.48 v1(3297,533.46) J9.2@3350.39,533.46
  L3_IN1 w3.2: v1(2736.98,374.16) 2738.38,372.76 2738.38,363.88 2740.89,361.37 2795.9,361.37 2811.99,377.45 2893.43,377.45 2930.98,415 3157,415 3158.6,415 3163.24,419.64 3163.24,423.88 3167.88,428.52 3181.8,428.52 3186.44,423.88 3186.44,419.64 3191.08,415 3251,415 3305,415 3326.6,436.6 3326.6,537.54 3322.13,542.01 3305.55,542.01 v1(3297,533.46)
DBG_USB_D_P: D26.2 J9.3 U25.8 | length 923.4
  TOP w3.4: U25.8@2692.18,362.08 v1@2718.11,362.08
  TOP w4.02: U25.8@2691.06,363.2 U25.8@2692.18,362.08 ; D26.2@3259.84,558.07 3296.02,558.07 v1(3297,559.06) J9.3@3350.39,559.06
  L3_IN1 w3.2: v1(2719.94,360.25) 2721.34,358.85 2731.39,358.85 2737.37,352.87 2799.42,352.87 2815.51,368.95 2896.95,368.95 2934.5,406.5 3308.52,406.5 3335.1,433.08 3335.1,541.06 3325.65,550.51 3305.55,550.51 v1(3297,559.06)